# Altium PCB PCB_Kasli.PCBDOC (part 10 of 16)
Units mm, origin at the board's own origin, x right, y up, seen from the top; angles counter-clockwise.
Board outline 200.3 x 100 mm, 6 copper layers (TopLayer, MidLayer1, MidLayer2, SignalLayer1, Internal Plane 1, BottomLayer), stack 1.528 mm thick; 775 components, 636 nets, 3136 pads, 1724 vias.
Unrouted connection lines stored in the file: 7.
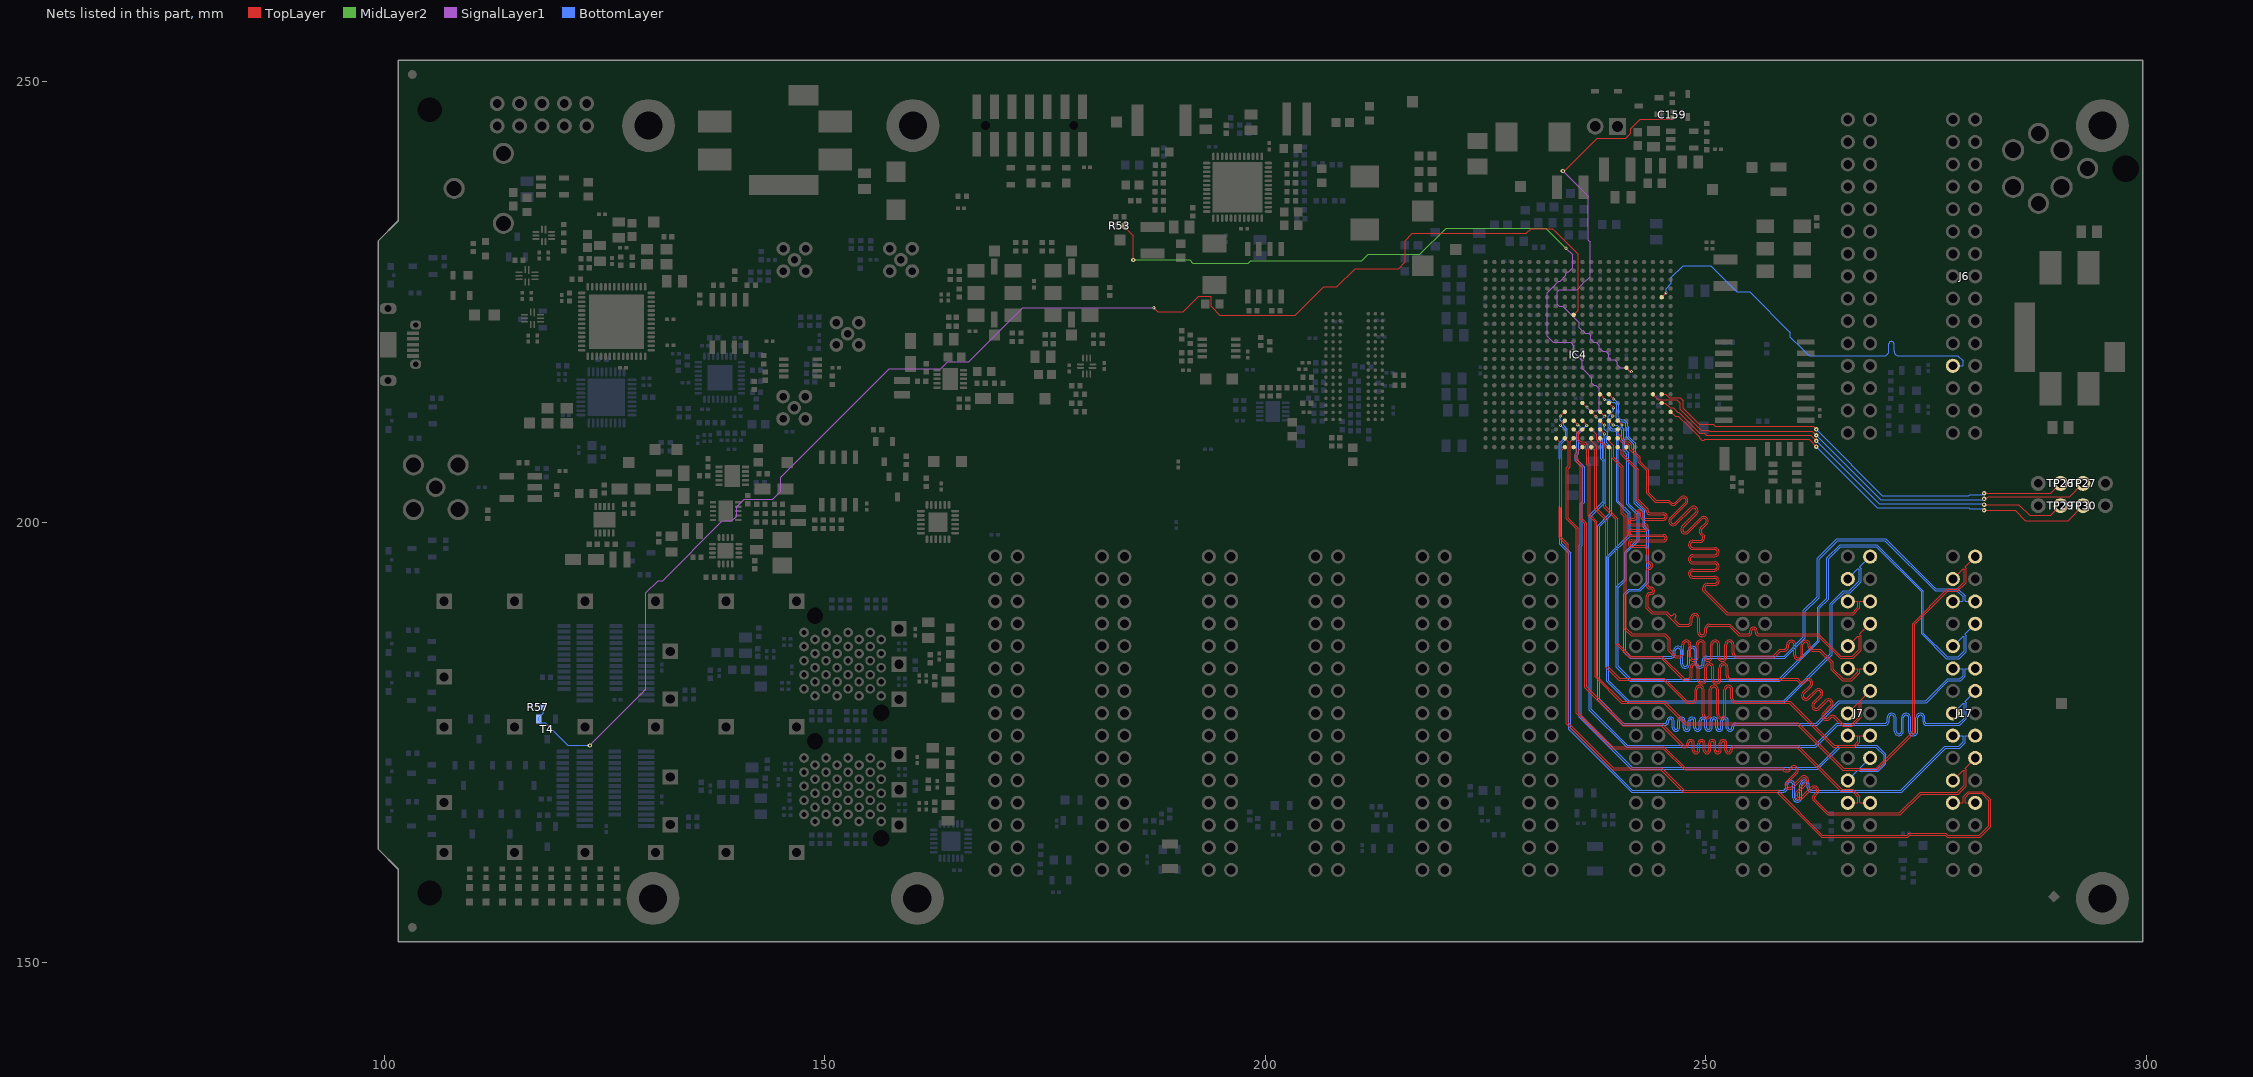
[diagram p14: the nets of this part, all layers, seen from the top]

## Via types
v1: diameter 0.5, hole 0.2, TopLayer to BottomLayer, tented both sides, 845 vias
v2: diameter 0.35, hole 0.15, TopLayer to BottomLayer, tented both sides, 612 vias
v3: diameter 0.8, hole 0.5, TopLayer to BottomLayer, tented both sides, 144 vias
v4: diameter 0.8, hole 0.5, TopLayer to BottomLayer, 66 vias
v5: diameter 0.5, hole 0.2, TopLayer to BottomLayer, 57 vias

## Nets (pads, with @x,y where several pads share a name; then routed paths per layer and width w, separated by ;. In a path a pad name is that pad's centre, name@x,y a point inside that pad or via, vN(x,y) a via of type N, cw(c..) or ccw(c..) an arc to the next point about the centre after c; other vN are vias at no path point) (continued)
EXT9.LVDS_P7: IC4.E21 J6.23 | length 45.4
  TopLayer w0.095: IC4.E21@244.991,225.515 v2(245.491,226.015)
  BottomLayer w0.095: v2(245.491,226.015) 245.491,226.488 246.084,227.081 246.084,227.77 247.414,229.1 250.544,229.1 253.516,226.129 254.954,226.129 259.604,221.478 259.604,220.984 260.882,219.707 261.708,218.88 270.25,218.88 ccw(c270.25,219.398) 270.767,219.398 270.767,220.216 cw(c271.065,220.216) 271.065,220.513 cw(c271.065,220.216) 271.362,220.216 271.362,219.398 ccw(c271.88,219.398) 271.88,218.88 278.609,218.88 279.19,218.299 279.19,217.796 279.134,217.74 J6.23@278.03,217.74
EXT10.LVDS_N0: IC4.V15 J7.3 | length 74.4
  TopLayer w0.095: IC4.V15@238.991,212.515 239.43,212.076 v2(239.43,212.035)
  BottomLayer w0.095: v2(239.43,212.035) 239.43,211.954 239.119,211.642 239.119,210.861 239.372,210.607 239.737,210.607 240.084,210.26 240.084,202.385 241.405,201.064 241.405,198.409 238.989,195.994 238.989,182.005 241.259,179.736 245.85,179.736 251.2,179.736 258.825,179.736 264.125,185.036 264.125,190.742 265.601,192.218 266.281,192.218 267.392,193.328 267.392,194.637 267.337,194.693 267.258,194.693 J7.3@266.105,193.54
EXT10.LVDS_N1: IC4.AA16 J7.6 | length 74.4
  TopLayer w0.095: IC4.AA16@239.991,209.515 240.598,208.909 240.831,208.909 241.144,208.909 241.378,208.675 241.378,208.225 242.313,207.29 242.313,206.768 243.275,205.805 243.275,203.264 244.259,202.28 245.709,202.28 245.932,202.057 ccw(c246.298,202.423) 246.664,202.057 247.242,202.636 cw(c247.453,202.425) 247.663,202.636 cw(c247.453,202.425) 247.75,202.425 cw(c247.453,202.425) 247.663,202.215 245.93,200.481 ccw(c246.295,200.115) 245.93,199.749 ccw(c246.295,200.115) 246.661,199.749 248.395,201.483 cw(c248.605,201.273) 248.816,201.483 cw(c248.605,201.273) 248.903,201.273 cw(c248.605,201.273) 248.816,201.062 247.288,199.535 ccw(c247.654,199.169) 247.288,198.803 ccw(c247.654,199.169) 248.02,198.803 249.548,200.33 cw(c249.758,200.12) 249.968,200.33 cw(c249.758,200.12) 250.056,200.12 cw(c249.758,200.12) 249.968,199.91 249.39,199.331 ccw(c249.756,198.965) 249.39,198.599 249.65,198.339 249.65,198.227 cw(c249.353,198.227) 249.353,197.929 248.534,197.929 ccw(c248.534,197.412) 248.017,197.412 ccw(c248.534,197.412) 248.534,196.894 250.986,196.894 cw(c250.986,196.597) 251.283,196.597 cw(c250.986,196.597) 250.986,196.299 248.534,196.299 ccw(c248.534,195.782) 248.017,195.782 ccw(c248.534,195.782) 248.534,195.264 250.986,195.264 cw(c250.986,194.967) 251.283,194.967 cw(c250.986,194.967) 250.986,194.669 248.534,194.669 ccw(c248.534,194.152) 248.017,194.152 ccw(c248.534,194.152) 248.534,193.634 250.986,193.634 cw(c250.986,193.337) 251.283,193.337 cw(c250.986,193.337) 250.986,193.039 250.168,193.039 ccw(c250.168,192.522) 249.65,192.522 249.65,192.225 252.364,189.511 266.736,189.511 267.485,190.26 267.485,190.944 267.541,191 J7.6@268.645,191
EXT10.LVDS_N2: IC4.AB17 J7.9 | length 78.3
  TopLayer w0.095: IC4.AB17@240.991,208.515 240.601,208.125 240.601,207.725 242.306,206.02 ; 241.244,207.082 242.306,206.02 ; J7.9@266.105,185.92 267.258,187.073 267.337,187.073 267.428,186.982 267.428,185.553 266.625,184.75 265.336,184.75 262.761,187.325 256.019,187.325 cw(c256.019,187.517) 255.827,187.517 255.827,187.669 ccw(c255.409,187.669) 255.409,188.087 ccw(c255.409,187.669) 254.992,187.669 254.992,187.522 cw(c254.794,187.522) 254.794,187.325 253.819,187.325 252.724,188.42 252.655,188.42 251.144,188.42 250.395,188.42 ccw(c250.395,187.902) 249.878,187.902 249.878,187.518 cw(c249.58,187.518) 249.58,187.22 cw(c249.58,187.518) 249.283,187.518 249.283,189.102 ccw(c248.765,189.102) 248.765,189.62 ccw(c248.765,189.102) 248.247,189.102 248.247,188.717 cw(c247.95,188.717) 247.95,188.42 247.166,188.42 246.961,188.42 246.781,188.6 246.641,188.74 246.501,188.879 cw(c246.641,189.019) 246.501,189.159 246.558,189.215 ccw(c246.418,189.355) 246.558,189.495 ccw(c246.418,189.355) 246.279,189.495 246.222,189.438 cw(c246.082,189.578) 245.943,189.438 245.819,189.561 245.556,189.825 243.969,189.825 243.469,190.325 243.469,191.595 cw(c243.667,191.595) 243.667,191.792 243.765,191.792 ccw(c243.765,192.21) 244.182,192.21 ccw(c243.765,192.21) 243.765,192.627 243.667,192.627 cw(c243.667,192.825) 243.469,192.825 243.469,194.554 cw(c243.558,194.554) 243.558,194.642 ccw(c243.558,195.06) 243.976,195.06 ccw(c243.558,195.06) 243.558,195.478 cw(c243.558,195.566) 243.469,195.566 243.469,196.3 243.469,196.942 ccw(c243.052,196.942) 243.052,197.359 241.582,197.359 cw(c241.582,197.557) 241.582,197.754 245.182,197.754 ccw(c245.182,198.172) 245.599,198.172 ccw(c245.182,198.172) 245.182,198.589 241.582,198.589 cw(c241.582,198.787) 241.582,198.984 243.052,198.984 ccw(c243.052,199.402) 243.469,199.402 ccw(c243.052,199.402) 243.052,199.819 241.582,199.819 cw(c241.582,200.017) 241.582,200.214 241.794,200.214 ccw(c241.794,200.632) 242.212,200.632 242.212,200.963 cw(c242.409,200.963) 242.607,200.963 242.607,200.632 ccw(c243.024,200.632) 243.024,200.214 245.182,200.214 ccw(c245.182,200.632) 245.599,200.632 ccw(c245.182,200.632) 245.182,201.049 243.667,201.049 cw(c243.667,201.247) 243.469,201.247 243.469,201.45 242.306,202.613 242.306,206.02
EXT10.LVDS_N3: IC4.AB15 J7.12 | length 73.1
  TopLayer w0.095: IC4.AB15@238.991,208.515 239.319,208.187 239.319,207.284 240.424,206.179 240.424,200.959 240.749,200.634 240.749,187.859 241.528,187.08 245.303,187.08 245.726,186.657 245.726,185.393 246.514,184.605 246.606,184.605 246.817,184.605 246.975,184.605 ccw(c246.975,185.122) 247.492,185.122 247.492,186.107 cw(c247.79,186.107) 247.79,186.405 cw(c247.79,186.107) 248.087,186.107 248.087,184.706 ccw(c248.605,184.706) 248.605,184.188 ccw(c248.605,184.706) 249.122,184.706 249.122,186.107 cw(c249.42,186.107) 249.42,186.405 cw(c249.42,186.107) 249.717,186.107 249.717,184.706 ccw(c250.235,184.706) 250.235,184.188 ccw(c250.235,184.706) 250.752,184.706 250.752,186.107 cw(c251.05,186.107) 251.05,186.405 cw(c251.05,186.107) 251.347,186.107 251.347,184.706 ccw(c251.865,184.706) 251.865,184.188 ccw(c251.865,184.706) 252.382,184.706 252.382,186.107 cw(c252.68,186.107) 252.68,186.405 cw(c252.68,186.107) 252.977,186.107 252.977,185.122 ccw(c253.495,185.122) 253.495,184.605 254.661,184.605 257.741,184.605 258.494,185.359 258.875,185.359 ccw(c258.875,185.876) 259.392,185.876 259.392,186.061 cw(c259.69,186.061) 259.69,186.359 cw(c259.69,186.061) 259.988,186.061 259.988,184.876 ccw(c260.505,184.876) 260.505,184.359 ccw(c260.505,184.876) 261.023,184.876 261.023,186.061 cw(c261.32,186.061) 261.32,186.359 cw(c261.32,186.061) 261.618,186.061 261.618,185.876 ccw(c262.135,185.876) 262.135,185.359 262.866,185.359 264.225,184 264.225,183.234 265.479,181.98 266.551,181.98 267.485,182.914 267.485,183.324 267.541,183.38 J7.12@268.645,183.38
EXT10.LVDS_N4: IC4.AA14 J7.15 | length 78.6
  TopLayer w0.095: IC4.AA14@237.991,209.515 238.039,209.468 238.039,209.355 238.605,208.789 238.605,208.355 238.619,208.341 238.619,201.775 239.994,200.4 239.994,186.275 241.469,184.8 244.994,184.8 247.544,182.25 247.925,182.25 ccw(c247.925,182.548) 248.223,182.548 248.223,183.494 cw(c248.74,183.494) 248.74,184.012 cw(c248.74,183.494) 249.258,183.494 249.258,182.14 ccw(c249.546,182.14) 249.546,181.851 ; 249.564,181.851 ccw(c249.564,182.14) 249.853,182.14 249.853,183.494 cw(c250.37,183.494) 250.37,184.012 cw(c250.37,183.494) 250.888,183.494 250.888,182.14 ccw(c251.176,182.14) 251.176,181.851 ; 251.194,181.851 ccw(c251.194,182.14) 251.483,182.14 251.483,183.494 cw(c252,183.494) 252,184.012 cw(c252,183.494) 252.518,183.494 252.518,182.548 ccw(c252.815,182.548) 252.815,182.25 260.411,182.25 260.706,181.956 ccw(c260.916,182.166) 261.126,181.956 261.257,182.086 cw(c261.623,181.72) 261.989,182.086 cw(c261.623,181.72) 262.141,181.72 cw(c261.623,181.72) 261.989,181.355 261.151,180.517 ccw(c261.361,180.306) 261.151,180.096 ; 261.151,180.095 ccw(c261.361,180.306) 261.572,180.096 262.41,180.934 cw(c262.776,180.568) 263.142,180.934 cw(c262.776,180.568) 263.293,180.568 cw(c262.776,180.568) 263.142,180.202 262.304,179.364 ccw(c262.514,179.154) 262.304,178.943 ccw(c262.514,179.154) 262.724,178.943 263.562,179.781 cw(c263.928,179.415) 264.294,179.781 cw(c263.928,179.415) 264.446,179.415 cw(c263.928,179.415) 264.294,179.049 263.456,178.211 ccw(c263.667,178.001) 263.877,177.791 264.008,177.922 cw(c264.374,177.556) 264.74,177.922 265.611,177.05 266.55,177.05 267.428,177.928 267.428,179.362 267.337,179.453 267.258,179.453 J7.15@266.105,178.3
EXT10.LVDS_N5: IC4.AB13 J7.18 | length 76.3
  TopLayer w0.095: IC4.AB13@236.991,208.515 237.374,208.132 237.374,206.416 237.374,201.484 238.645,200.213 238.645,183.533 240.123,182.055 245.203,182.055 247.803,179.455 248.475,179.455 ccw(c248.475,179.973) 248.992,179.973 248.992,180.957 cw(c249.29,180.957) 249.29,181.255 cw(c249.29,180.957) 249.588,180.957 249.588,178.173 ccw(c250.105,178.173) 250.105,177.655 ccw(c250.105,178.173) 250.623,178.173 250.623,180.957 cw(c250.92,180.957) 250.92,181.255 cw(c250.92,180.957) 251.218,180.957 251.218,178.173 ccw(c251.735,178.173) 251.735,177.655 ccw(c251.735,178.173) 252.253,178.173 252.253,180.957 cw(c252.55,180.957) 252.55,181.255 cw(c252.55,180.957) 252.848,180.957 252.848,179.973 ccw(c253.365,179.973) 253.365,179.455 259.47,179.455 264.481,174.444 266.919,174.444 267.485,175.01 267.485,175.704 267.541,175.76 J7.18@268.645,175.76
EXT10.LVDS_N6: IC4.W12 J7.21 | length 79.4
  TopLayer w0.095: IC4.W12@235.991,211.515 236.48,211.026 v2(236.48,210.985)
  BottomLayer w0.095: v2(236.48,210.985) 235.986,210.491 235.986,210.4 235.594,210.008 235.594,207.808 235.422,207.635 235.422,207.064 236.239,206.247 236.239,202.264 235.986,202.011 235.986,197.372 235.869,197.255 235.869,177.925 241.619,172.175 262.625,172.175 265.145,174.695 269.391,174.695 270.438,173.648 270.438,172.602 269.549,171.713 267.457,171.713 267.337,171.833 267.258,171.833 J7.21@266.105,170.68
EXT10.LVDS_N7: IC4.AB12 J7.24 | length 74.8
  TopLayer w0.095: IC4.AB12@235.991,208.515 235.944,208.468 235.886,208.468 235.494,208.076 235.494,207.708 235.422,207.635 235.422,207.265 235.494,207.192 235.494,206.931 235.98,206.445 235.98,200.395 236.494,199.881 236.494,181.3 240.669,177.125 245.044,177.125 247.544,174.625 247.656,174.625 ccw(c247.656,174.822) 247.854,174.822 247.854,174.907 cw(c248.271,174.907) 248.271,175.325 cw(c248.271,174.907) 248.689,174.907 248.689,174.122 ccw(c248.886,174.122) 248.886,173.925 ccw(c248.886,174.122) 249.084,174.122 249.084,174.907 cw(c249.501,174.907) 249.501,175.325 cw(c249.501,174.907) 249.919,174.907 249.919,174.122 ccw(c250.116,174.122) 250.116,173.925 ccw(c250.116,174.122) 250.314,174.122 250.314,174.907 cw(c250.731,174.907) 250.731,175.325 cw(c250.731,174.907) 251.149,174.907 251.149,174.122 ccw(c251.346,174.122) 251.346,173.925 ccw(c251.346,174.122) 251.544,174.122 251.544,174.907 cw(c251.961,174.907) 251.961,175.325 cw(c251.961,174.907) 252.379,174.907 252.379,174.122 ccw(c252.576,174.122) 252.576,173.925 ccw(c252.576,174.122) 252.774,174.122 252.774,174.207 cw(c253.191,174.207) 253.191,174.625 260.219,174.625 260.466,174.625 265.409,169.683 266.692,169.683 267.485,168.89 267.485,168.196 267.541,168.14 J7.24@268.645,168.14
EXT10.LVDS_P0: IC4.U15 J7.2 | length 76.5
  TopLayer w0.095: IC4.U15@238.991,213.515 239.5,213.006 v2(239.5,212.963)
  BottomLayer w0.095: v2(239.5,212.963) 239.5,212.632 238.908,212.039 238.908,211.784 238.899,211.775 238.899,210.77 239.281,210.387 239.646,210.387 239.864,210.169 239.864,202.294 241.185,200.973 241.185,198.501 238.769,196.085 238.769,181.914 241.168,179.516 245.85,179.516 251.291,179.516 258.916,179.516 264.345,184.944 264.345,190.651 265.692,191.998 266.373,191.998 267.612,193.237 267.612,194.728 267.492,194.848 267.492,194.927 J7.2@268.645,196.08
EXT10.LVDS_P1: IC4.Y16 J7.5 | length 74.7
  TopLayer w0.095: IC4.Y16@239.991,210.515 239.991,210.061 240.378,209.675 240.378,209.582 240.831,209.129 241.235,209.129 241.598,208.766 241.598,208.316 242.533,207.381 242.533,206.859 243.495,205.897 243.495,203.355 244.35,202.5 245.8,202.5 246.087,202.213 ccw(c246.298,202.423) 246.508,202.212 247.087,202.791 cw(c247.453,202.425) 247.819,202.791 cw(c247.453,202.425) 247.97,202.425 cw(c247.453,202.425) 247.819,202.059 246.085,200.326 ccw(c246.295,200.115) 246.085,199.905 ccw(c246.295,200.115) 246.506,199.905 248.24,201.639 cw(c248.605,201.273) 248.971,201.639 cw(c248.605,201.273) 249.123,201.273 cw(c248.605,201.273) 248.971,200.907 247.444,199.379 ccw(c247.654,199.169) 247.444,198.958 ; 247.444,198.958 ccw(c247.654,199.169) 247.864,198.958 249.392,200.486 cw(c249.758,200.12) 250.124,200.486 cw(c249.758,200.12) 250.276,200.12 cw(c249.758,200.12) 250.124,199.754 249.545,199.175 ccw(c249.756,198.965) 249.545,198.755 249.87,198.43 249.87,198.227 cw(c249.353,198.227) 249.353,197.709 248.534,197.709 ccw(c248.534,197.412) 248.237,197.412 ccw(c248.534,197.412) 248.534,197.114 250.986,197.114 cw(c250.986,196.597) 251.503,196.597 cw(c250.986,196.597) 250.986,196.079 248.534,196.079 ccw(c248.534,195.782) 248.237,195.782 ccw(c248.534,195.782) 248.534,195.484 250.986,195.484 cw(c250.986,194.967) 251.503,194.967 cw(c250.986,194.967) 250.986,194.449 248.534,194.449 ccw(c248.534,194.152) 248.237,194.152 ccw(c248.534,194.152) 248.534,193.854 250.986,193.854 cw(c250.986,193.337) 251.503,193.337 cw(c250.986,193.337) 250.986,192.819 250.168,192.819 ccw(c250.168,192.522) 249.87,192.522 249.87,192.316 252.456,189.731 266.644,189.731 267.125,190.211 267.265,190.351 267.265,190.944 267.209,191 J7.5@266.105,191
EXT10.LVDS_P2: IC4.AB16 J7.8 | length 77.1
  TopLayer w0.095: IC4.AB16@239.991,208.515 240.381,208.125 240.381,207.634 242.086,205.929 242.086,202.522 243.249,201.359 243.249,201.247 ccw(c243.667,201.247) 243.667,200.829 245.182,200.829 cw(c245.182,200.632) 245.379,200.632 cw(c245.182,200.632) 245.182,200.434 243.024,200.434 cw(c243.024,200.632) 242.827,200.632 242.827,200.963 ccw(c242.409,200.963) 241.992,200.963 241.992,200.632 cw(c241.794,200.632) 241.794,200.434 241.582,200.434 ccw(c241.582,200.017) 241.582,199.599 243.052,199.599 cw(c243.052,199.402) 243.249,199.402 cw(c243.052,199.402) 243.052,199.204 241.582,199.204 ccw(c241.582,198.787) 241.582,198.369 245.182,198.369 cw(c245.182,198.172) 245.379,198.172 cw(c245.182,198.172) 245.182,197.974 241.582,197.974 ccw(c241.582,197.557) 241.582,197.139 243.052,197.139 cw(c243.052,196.942) 243.249,196.942 243.249,196.3 243.249,195.566 ccw(c243.558,195.566) 243.558,195.258 cw(c243.558,195.06) 243.756,195.06 cw(c243.558,195.06) 243.558,194.862 ccw(c243.558,194.554) 243.249,194.554 243.249,192.825 ccw(c243.667,192.825) 243.667,192.407 243.765,192.407 cw(c243.765,192.21) 243.962,192.21 cw(c243.765,192.21) 243.765,192.012 243.667,192.012 ccw(c243.667,191.595) 243.249,191.595 243.249,190.234 243.878,189.605 245.464,189.605 246.869,188.2 247.166,188.2 247.95,188.2 ccw(c247.95,188.717) 248.467,188.717 248.467,189.102 cw(c248.765,189.102) 248.765,189.4 cw(c248.765,189.102) 249.063,189.102 249.063,187.518 ccw(c249.58,187.518) 249.58,187 ccw(c249.58,187.518) 250.098,187.518 250.098,187.902 cw(c250.395,187.902) 250.395,188.2 251.144,188.2 252.564,188.2 252.633,188.2 253.728,187.105 254.794,187.105 ccw(c254.794,187.522) 255.212,187.522 255.212,187.669 cw(c255.409,187.669) 255.409,187.867 cw(c255.409,187.669) 255.607,187.669 255.607,187.517 ccw(c256.019,187.517) 256.019,187.105 262.67,187.105 265.245,184.53 266.716,184.53 267.648,185.461 267.648,187.073 267.492,187.228 267.492,187.307 J7.8@268.645,188.46
EXT10.LVDS_P3: IC4.AA15 J7.11 | length 73.4
  TopLayer w0.095: IC4.AA15@238.991,209.515 238.991,209.218 239.539,208.67 239.539,207.375 240.644,206.27 240.644,201.05 240.969,200.725 240.969,187.95 241.619,187.3 245.394,187.3 245.946,186.748 245.946,185.484 246.606,184.825 246.817,184.825 246.975,184.825 ccw(c246.975,185.122) 247.272,185.122 247.272,186.107 cw(c247.79,186.107) 247.79,186.625 cw(c247.79,186.107) 248.307,186.107 248.307,184.706 ccw(c248.605,184.706) 248.605,184.408 ccw(c248.605,184.706) 248.902,184.706 248.902,186.107 cw(c249.42,186.107) 249.42,186.625 cw(c249.42,186.107) 249.937,186.107 249.937,184.706 ccw(c250.235,184.706) 250.235,184.408 ccw(c250.235,184.706) 250.532,184.706 250.532,186.107 cw(c251.05,186.107) 251.05,186.625 cw(c251.05,186.107) 251.567,186.107 251.567,184.706 ccw(c251.865,184.706) 251.865,184.408 ccw(c251.865,184.706) 252.162,184.706 252.162,186.107 cw(c252.68,186.107) 252.68,186.625 cw(c252.68,186.107) 253.197,186.107 253.197,185.122 ccw(c253.495,185.122) 253.495,184.825 254.569,184.825 257.649,184.825 258.403,185.579 258.875,185.579 ccw(c258.875,185.876) 259.172,185.876 259.172,186.061 cw(c259.69,186.061) 259.69,186.579 cw(c259.69,186.061) 260.208,186.061 260.208,184.876 ccw(c260.505,184.876) 260.505,184.579 ccw(c260.505,184.876) 260.803,184.876 260.803,186.061 cw(c261.32,186.061) 261.32,186.579 cw(c261.32,186.061) 261.838,186.061 261.838,185.876 ccw(c262.135,185.876) 262.135,185.579 262.957,185.579 264.445,184.091 264.445,183.325 265.57,182.2 266.46,182.2 267.265,183.005 267.265,183.324 267.209,183.38 J7.11@266.105,183.38
EXT10.LVDS_P4: IC4.Y13 J7.14 | length 80.9
  TopLayer w0.095: IC4.Y13@236.991,210.515 237.605,209.901 237.605,209.355 237.831,209.129 237.955,209.129 238.385,208.698 238.385,208.264 238.399,208.25 238.399,201.684 239.774,200.309 239.774,186.184 241.378,184.58 244.903,184.58 247.453,182.03 247.925,182.03 ccw(c247.925,182.548) 248.443,182.548 248.443,183.494 cw(c248.74,183.494) 248.74,183.792 cw(c248.74,183.494) 249.038,183.494 249.038,182.14 ccw(c249.546,182.14) 249.546,181.631 ; 249.564,181.631 ccw(c249.564,182.14) 250.073,182.14 250.073,183.494 cw(c250.37,183.494) 250.37,183.792 cw(c250.37,183.494) 250.668,183.494 250.668,182.14 ccw(c251.176,182.14) 251.176,181.631 ; 251.194,181.631 ccw(c251.194,182.14) 251.703,182.14 251.703,183.494 cw(c252,183.494) 252,183.792 cw(c252,183.494) 252.298,183.494 252.298,182.548 ccw(c252.815,182.548) 252.815,182.03 260.32,182.03 260.55,181.8 ccw(c260.916,182.166) 261.282,181.8 261.413,181.931 cw(c261.623,181.72) 261.833,181.931 cw(c261.623,181.72) 261.921,181.72 cw(c261.623,181.72) 261.833,181.51 260.995,180.672 ccw(c261.361,180.306) 261.727,179.94 262.565,180.778 cw(c262.776,180.568) 262.986,180.778 cw(c262.776,180.568) 263.073,180.568 cw(c262.776,180.568) 262.986,180.357 262.148,179.52 ccw(c262.514,179.154) 262.148,178.788 ccw(c262.514,179.154) 262.88,178.788 263.718,179.626 cw(c263.928,179.415) 264.139,179.626 ; 264.139,179.625 cw(c263.928,179.415) 264.226,179.415 cw(c263.928,179.415) 264.139,179.205 263.301,178.367 ccw(c263.667,178.001) 264.033,177.635 264.163,177.766 cw(c264.374,177.556) 264.584,177.766 265.52,176.83 266.641,176.83 267.648,177.836 267.648,179.453 267.492,179.608 267.492,179.687 J7.14@268.645,180.84
EXT10.LVDS_P5: IC4.AA13 J7.17 | length 76.6
  TopLayer w0.095: IC4.AA13@236.991,209.515 236.991,209.218 237.594,208.615 237.594,206.416 237.594,201.575 238.865,200.304 238.865,183.624 240.214,182.275 245.294,182.275 247.894,179.675 248.475,179.675 ccw(c248.475,179.973) 248.772,179.973 248.772,180.957 cw(c249.29,180.957) 249.29,181.475 cw(c249.29,180.957) 249.808,180.957 249.808,178.173 ccw(c250.105,178.173) 250.105,177.875 ccw(c250.105,178.173) 250.403,178.173 250.403,180.957 cw(c250.92,180.957) 250.92,181.475 cw(c250.92,180.957) 251.438,180.957 251.438,178.173 ccw(c251.735,178.173) 251.735,177.875 ccw(c251.735,178.173) 252.033,178.173 252.033,180.957 cw(c252.55,180.957) 252.55,181.475 cw(c252.55,180.957) 253.068,180.957 253.068,179.973 ccw(c253.365,179.973) 253.365,179.675 259.561,179.675 264.572,174.664 266.828,174.664 267.265,175.101 267.265,175.704 267.209,175.76 J7.17@266.105,175.76
EXT10.LVDS_P6: IC4.W11 J7.20 | length 78.9
  TopLayer w0.095: IC4.W11@234.991,211.515 235.474,211.032 v2(235.462,211.032)
  BottomLayer w0.095: v2(235.462,211.032) 235.553,211.032 235.766,210.819 235.766,210.491 235.374,210.099 235.374,207.899 235.202,207.726 235.202,206.973 236.019,206.156 236.019,202.356 235.766,202.102 235.766,197.463 235.649,197.346 235.649,177.834 241.528,171.955 262.716,171.955 265.236,174.475 269.3,174.475 270.218,173.557 270.218,172.693 269.458,171.933 267.548,171.933 267.492,171.988 267.492,172.067 J7.20@268.645,173.22
EXT10.LVDS_P7: IC4.AB11 J7.23 | length 74.7
  TopLayer w0.095: IC4.AB11@234.991,208.515 235.039,208.468 235.171,208.468 235.274,208.364 235.274,207.799 235.202,207.726 235.202,207.174 235.274,207.101 235.274,206.839 235.76,206.354 235.76,200.304 236.274,199.79 236.274,181.209 240.578,176.905 244.953,176.905 247.453,174.405 247.656,174.405 ccw(c247.656,174.822) 248.074,174.822 248.074,174.907 cw(c248.271,174.907) 248.271,175.105 cw(c248.271,174.907) 248.469,174.907 248.469,174.122 ccw(c248.886,174.122) 248.886,173.705 ; 248.886,173.705 ccw(c248.886,174.122) 249.304,174.122 249.304,174.907 cw(c249.501,174.907) 249.501,175.105 cw(c249.501,174.907) 249.699,174.907 249.699,174.122 ccw(c250.116,174.122) 250.116,173.705 ccw(c250.116,174.122) 250.534,174.122 250.534,174.907 cw(c250.731,174.907) 250.731,175.105 cw(c250.731,174.907) 250.929,174.907 250.929,174.122 ccw(c251.346,174.122) 251.346,173.705 ccw(c251.346,174.122) 251.764,174.122 251.764,174.907 cw(c251.961,174.907) 251.961,175.105 cw(c251.961,174.907) 252.159,174.907 252.159,174.122 ccw(c252.576,174.122) 252.576,173.705 ccw(c252.576,174.122) 252.994,174.122 252.994,174.207 cw(c253.191,174.207) 253.191,174.405 260.375,174.405 265.317,169.463 266.601,169.463 267.265,168.799 267.265,168.196 267.209,168.14 J7.23@266.105,168.14
EXT11.LVDS_N0: IC4.Y12 J17.3 | length 94.4
  TopLayer w0.095: IC4.Y12@235.991,210.515 235.601,210.125 235.601,209.359 235.839,209.121 236.243,209.121 236.605,208.759 236.605,208.355 236.712,208.248 236.712,206.663 236.859,206.516 236.859,200.838 237.644,200.052 237.644,182.52 240.489,179.675 245.319,179.675 247.769,177.225 260.458,177.225 265.638,172.045 269.334,172.045 273.475,176.186 273.475,188.486 277.359,192.37 278.459,192.37 279.317,193.228 279.317,194.637 279.262,194.693 279.183,194.693 J17.3@278.03,193.54
EXT11.LVDS_N1: IC4.T15 J17.6 | length 93.4
  TopLayer w0.095: IC4.T15@238.991,214.515 239.5,214.006 v2(239.5,213.979)
  BottomLayer w0.095: v2(239.5,213.979) 239.528,213.979 240.119,213.387 240.119,213.118 240.118,212.808 ; 240.119,212.808 240.119,212.35 240.033,212.264 240.033,211.956 240.119,211.87 240.119,211.861 240.372,211.607 240.737,211.607 241.119,211.225 241.119,210.861 241.233,210.747 241.233,209.712 241.646,209.299 ; 241.651,209.303 242.033,208.921 242.033,207.881 242.116,207.797 242.116,202.253 243.089,201.28 243.089,199.516 243.514,199.091 243.514,193.162 242.538,192.185 241.365,192.185 240.925,191.745 240.925,185.344 241.494,184.775 245.5,184.775 246.025,184.775 ccw(c246.025,185.072) 246.322,185.072 246.322,185.391 cw(c246.84,185.391) 246.84,185.908 cw(c246.84,185.391) 247.358,185.391 247.358,183.939 ccw(c247.655,183.939) 247.655,183.642 ccw(c247.655,183.939) 247.953,183.939 247.953,185.391 cw(c248.47,185.391) 248.47,185.908 cw(c248.47,185.391) 248.988,185.391 248.988,183.939 ccw(c249.285,183.939) 249.285,183.642 ccw(c249.285,183.939) 249.583,183.939 249.583,184.257 cw(c250.1,184.257) 250.1,184.775 253.825,184.775 253.916,184.775 258.87,184.775 261.068,186.973 261.068,189.968 262.63,191.53 262.63,195.896 264.854,198.12 270.419,198.12 276.098,192.441 278.584,192.441 279.41,191.615 279.41,191.056 279.466,191 J17.6@280.57,191
EXT11.LVDS_N2: IC4.W16 J17.9 | length 92.7
  TopLayer w0.095: IC4.W16@239.991,211.515 v2(240.491,211.015)
  BottomLayer w0.095: v2(240.491,211.015) 240.491,210.693 240.669,210.516 240.669,209.433 240.819,209.282 240.819,208.299 241.261,207.857 241.261,202.108 242.417,200.953 242.417,197.924 240.99,196.498 240.99,193.463 240.07,192.543 240.07,183.624 241.534,182.161 245.15,182.161 253.691,182.161 256.225,182.161 258.286,182.161 262.675,186.55 262.675,190.311 263.725,191.361 263.725,195.947 265.223,197.445 269.416,197.445 274.695,192.166 274.695,187.405 277.375,184.725 278.65,184.725 279.317,185.392 279.317,187.017 279.262,187.073 279.183,187.073 J17.9@278.03,185.92
EXT11.LVDS_N3: IC4.Y14 J17.12 | length 92.3
  TopLayer w0.095: IC4.Y14@237.991,210.515 v2(238.491,210.015)
  BottomLayer w0.095: v2(238.491,210.015) 238.491,209.443 238.547,209.388 238.547,208.898 239.094,208.351 239.094,200.985 237.719,199.61 237.719,179.784 240.548,176.955 245.369,176.955 ccw(c245.369,177.373) 245.787,177.373 245.787,177.457 cw(c245.984,177.457) 245.984,177.655 cw(c245.984,177.457) 246.182,177.457 246.182,176.673 ccw(c246.599,176.673) 246.599,176.255 ccw(c246.599,176.673) 247.017,176.673 247.017,177.457 cw(c247.214,177.457) 247.214,177.655 cw(c247.214,177.457) 247.412,177.457 247.412,176.673 ccw(c247.829,176.673) 247.829,176.255 ccw(c247.829,176.673) 248.247,176.673 248.247,177.457 cw(c248.444,177.457) 248.444,177.655 cw(c248.444,177.457) 248.642,177.457 248.642,176.673 ccw(c249.059,176.673) 249.059,176.255 ccw(c249.059,176.673) 249.477,176.673 249.477,177.457 cw(c249.674,177.457) 249.674,177.655 cw(c249.674,177.457) 249.872,177.457 249.872,176.673 ccw(c250.289,176.673) 250.289,176.255 ccw(c250.289,176.673) 250.707,176.673 250.707,177.457 cw(c250.904,177.457) 250.904,177.655 cw(c250.904,177.457) 251.102,177.457 251.102,176.673 ccw(c251.519,176.673) 251.519,176.255 ccw(c251.519,176.673) 251.937,176.673 251.937,177.457 cw(c252.134,177.457) 252.134,177.655 cw(c252.134,177.457) 252.332,177.457 252.332,176.673 ccw(c252.749,176.673) 252.749,176.255 ccw(c252.749,176.673) 253.167,176.673 253.167,176.757 cw(c253.364,176.757) 253.364,176.955 262.625,176.955 265.175,179.505 275.055,179.505 277.525,181.975 278.9,181.975 279.41,182.485 279.41,183.324 279.466,183.38 J17.12@280.57,183.38
EXT11.LVDS_N4: IC4.V14 J17.15 | length 93.4
  TopLayer w0.095: IC4.V14@237.991,212.515 238.484,212.023 v2(238.535,212.023)
  BottomLayer w0.095: v2(238.535,212.023) 238.499,212.023 238.121,211.644 238.121,211.171 238.119,211.169 238.119,210.861 238.121,210.859 238.121,210.171 238.119,210.169 238.119,209.575 238.294,209.4 238.294,207.259 238.594,206.96 238.594,202.269 236.994,200.669 236.994,178.75 241.094,174.65 262.375,174.65 264.87,177.145 270.275,177.145 ccw(c270.275,177.443) 270.572,177.443 270.572,177.786 cw(c271.09,177.786) 271.09,178.303 cw(c271.09,177.786) 271.608,177.786 271.608,176.284 ccw(c271.905,176.284) 271.905,175.987 ccw(c271.905,176.284) 272.203,176.284 272.203,177.786 cw(c272.72,177.786) 272.72,178.303 cw(c272.72,177.786) 273.238,177.786 273.238,176.284 ccw(c273.535,176.284) 273.535,175.987 ccw(c273.535,176.284) 273.833,176.284 273.833,177.786 cw(c274.35,177.786) 274.35,178.303 cw(c274.35,177.786) 274.868,177.786 274.868,177.317 ccw(c275.039,177.317) 275.039,177.145 275.197,177.145 278.709,177.145 279.317,177.753 279.317,179.397 279.262,179.453 279.183,179.453 J17.15@278.03,178.3
EXT11.LVDS_N5: IC4.W10 J17.18 | length 93.8
  TopLayer w0.095: v2(233.505,210.985) 233.505,211.029 IC4.W10@233.991,211.515
  BottomLayer w0.095: v2(233.505,210.985) 233.521,210.985 234.074,210.432 234.074,209.691 233.344,208.961 233.344,207.175 233.409,207.111 233.409,197.461 234.424,196.445 234.424,176.509 241.579,169.355 258.75,169.355 ccw(c258.75,169.872) 259.268,169.872 259.268,170.189 cw(c259.565,170.189) 259.565,170.486 cw(c259.565,170.189) 259.863,170.189 259.863,168.741 ccw(c260.38,168.741) 260.38,168.224 ccw(c260.38,168.741) 260.898,168.741 260.898,170.189 cw(c261.195,170.189) 261.195,170.486 cw(c261.195,170.189) 261.493,170.189 261.493,169.873 ccw(c262.01,169.873) 262.01,169.355 272.217,169.355 277.212,174.35 277.434,174.35 278.8,174.35 279.41,174.96 279.41,175.704 279.466,175.76 J17.18@280.57,175.76
EXT11.LVDS_N6: IC4.AA11 J17.21 | length 94.8
  TopLayer w0.095: IC4.AA11@234.991,209.515 234.601,209.125 234.601,206.281 234.4,206.079 234.4,202.313 234.372,202.285 234.372,200.461 234.741,200.091 235.519,199.313 235.519,178.425 239.419,174.525 245.244,174.525 247.674,172.095 258.808,172.095 258.952,171.951 ccw(c259.162,172.162) 259.372,171.951 259.625,172.204 cw(c259.991,171.838) 260.357,172.204 cw(c259.991,171.838) 260.508,171.838 cw(c259.991,171.838) 260.357,171.472 259.275,170.391 ccw(c259.486,170.18) 259.275,169.97 ccw(c259.486,170.18) 259.696,169.97 260.778,171.051 cw(c261.144,170.685) 261.509,171.051 cw(c261.144,170.685) 261.661,170.685 cw(c261.144,170.685) 261.509,170.32 260.428,169.238 ccw(c260.638,169.028) 260.428,168.817 ccw(c260.638,169.028) 260.849,168.817 261.93,169.899 cw(c262.296,169.533) 262.662,169.899 cw(c262.296,169.533) 262.814,169.533 cw(c262.296,169.533) 262.662,169.167 262.339,168.844 ccw(c262.479,168.704) 262.339,168.564 263.908,166.995 271.966,166.995 274.329,169.358 278.546,169.358 279.317,170.128 279.317,171.777 279.262,171.833 279.183,171.833 J17.21@278.03,170.68
EXT11.LVDS_N7: IC4.AB10 J17.24 | length 93.3
  TopLayer w0.095: IC4.AB10@233.991,208.515 233.644,208.168 233.644,201.738 233.557,201.651 233.557,198.338 234.394,197.5 234.394,177.206 239.475,172.125 244.969,172.125 247.549,169.545 258.161,169.545 263.231,164.475 272.831,164.475 273.024,164.668 277.241,164.668 277.458,164.45 281.05,164.45 282.125,165.525 282.125,168.375 281.3,169.2 279.875,169.2 279.41,168.735 279.41,168.196 279.466,168.14 J17.24@280.57,168.14
EXT11.LVDS_P0: IC4.Y11 J17.2 | length 95.3
  TopLayer w0.095: IC4.Y11@234.991,210.515 235.381,210.125 235.381,209.267 235.747,208.901 236.152,208.901 236.385,208.668 236.385,208.264 236.492,208.157 236.492,206.572 236.639,206.425 236.639,200.747 237.424,199.961 237.424,182.429 240.398,179.455 245.228,179.455 247.678,177.005 260.366,177.005 265.546,171.825 269.425,171.825 273.695,176.095 273.695,188.395 277.45,192.15 278.55,192.15 279.537,193.137 279.537,194.728 279.417,194.848 279.417,194.927 J17.2@280.57,196.08
EXT11.LVDS_P1: IC4.T14 J17.5 | length 94.2
  TopLayer w0.095: IC4.T14@237.991,214.515 238.484,214.022 v2(238.484,213.928)
  BottomLayer w0.095: v2@238.506,213.906 239.046,213.906 239.346,213.606 239.589,213.606 239.898,213.297 239.898,212.717 ; 239.899,212.717 239.899,212.441 239.813,212.356 239.813,211.865 239.899,211.779 239.899,211.77 240.281,211.387 240.646,211.387 240.899,211.134 240.899,210.77 241.013,210.655 241.013,209.621 241.426,209.208 ; 241.431,209.212 241.813,208.829 241.813,207.79 241.896,207.706 241.896,202.162 242.869,201.189 242.869,199.425 243.294,199 243.294,193.253 242.447,192.405 241.274,192.405 240.705,191.836 240.705,185.253 241.403,184.555 245.409,184.555 246.025,184.555 ccw(c246.025,185.072) 246.542,185.072 246.542,185.391 cw(c246.84,185.391) 246.84,185.688 cw(c246.84,185.391) 247.138,185.391 247.138,183.939 ccw(c247.655,183.939) 247.655,183.422 ccw(c247.655,183.939) 248.173,183.939 248.173,185.391 cw(c248.47,185.391) 248.47,185.688 cw(c248.47,185.391) 248.768,185.391 248.768,183.939 ccw(c249.285,183.939) 249.285,183.422 ccw(c249.285,183.939) 249.803,183.939 249.803,184.257 cw(c250.1,184.257) 250.1,184.555 253.916,184.555 258.962,184.555 261.288,186.881 261.288,189.877 262.85,191.439 262.85,195.805 264.945,197.9 270.328,197.9 276.007,192.221 278.493,192.221 279.19,191.524 279.19,191.056 279.134,191 J17.5@278.03,191
EXT11.LVDS_P2: IC4.W15 J17.8 | length 94.2
  TopLayer w0.095: IC4.W15@238.991,211.515 v2(239.491,211.015)
  BottomLayer w0.095: v2(239.491,211.015) 239.949,211.015 240.271,210.693 240.271,210.602 240.449,210.424 240.449,209.342 240.554,209.236 240.599,209.191 240.599,208.144 241.041,207.702 241.041,202.017 242.197,200.861 242.197,198.015 240.77,196.589 240.77,193.554 239.85,192.634 239.85,183.533 241.443,181.941 245.15,181.941 245.241,181.941 258.377,181.941 262.895,186.459 262.895,190.22 263.945,191.27 263.945,195.856 265.314,197.225 269.325,197.225 274.475,192.075 274.475,187.314 277.284,184.505 278.741,184.505 279.537,185.301 279.537,187.108 279.417,187.228 279.417,187.307 J17.8@280.57,188.46
EXT11.LVDS_P3: IC4.W14 J17.11 | length 92.8
  TopLayer w0.095: IC4.W14@237.991,211.515 v2(238.491,211.015)
  BottomLayer w0.095: v2(238.491,211.015) 238.491,210.542 238.864,210.169 238.864,209.861 238.711,209.708 238.711,209.534 238.767,209.479 238.767,208.989 239.314,208.442 239.314,200.894 237.939,199.519 237.939,179.875 240.639,177.175 245.369,177.175 ccw(c245.369,177.373) 245.567,177.373 245.567,177.457 cw(c245.984,177.457) 245.984,177.875 cw(c245.984,177.457) 246.402,177.457 246.402,176.673 ccw(c246.599,176.673) 246.599,176.475 ccw(c246.599,176.673) 246.797,176.673 246.797,177.457 cw(c247.214,177.457) 247.214,177.875 cw(c247.214,177.457) 247.632,177.457 247.632,176.673 ccw(c247.829,176.673) 247.829,176.475 ccw(c247.829,176.673) 248.027,176.673 248.027,177.457 cw(c248.444,177.457) 248.444,177.875 cw(c248.444,177.457) 248.862,177.457 248.862,176.673 ccw(c249.059,176.673) 249.059,176.475 ccw(c249.059,176.673) 249.257,176.673 249.257,177.457 cw(c249.674,177.457) 249.674,177.875 cw(c249.674,177.457) 250.092,177.457 250.092,176.673 ccw(c250.289,176.673) 250.289,176.475 ccw(c250.289,176.673) 250.487,176.673 250.487,177.457 cw(c250.904,177.457) 250.904,177.875 cw(c250.904,177.457) 251.322,177.457 251.322,176.673 ccw(c251.519,176.673) 251.519,176.475 ccw(c251.519,176.673) 251.717,176.673 251.717,177.457 cw(c252.134,177.457) 252.134,177.875 cw(c252.134,177.457) 252.552,177.457 252.552,176.673 ccw(c252.749,176.673) 252.749,176.475 ccw(c252.749,176.673) 252.947,176.673 252.947,176.757 cw(c253.364,176.757) 253.364,177.175 257.925,177.175 262.534,177.175 265.084,179.725 274.964,179.725 275.295,180.057 277.434,182.195 278.809,182.195 279.19,182.576 279.19,183.324 279.134,183.38 J17.11@278.03,183.38
EXT11.LVDS_P4: IC4.V13 J17.14 | length 94.2
  TopLayer w0.095: IC4.V13@236.991,212.515 237.53,211.976 v2(237.53,211.96) v2@237.53,211.936
  BottomLayer w0.095: v2(237.53,211.96) 237.901,211.59 237.901,211.262 237.899,211.26 237.899,210.77 237.901,210.768 237.901,210.262 237.899,210.26 237.899,209.484 238.074,209.309 238.074,207.168 238.374,206.868 238.374,202.36 236.774,200.76 236.774,178.659 241.003,174.43 262.466,174.43 264.961,176.925 270.275,176.925 ccw(c270.275,177.443) 270.792,177.443 270.792,177.786 cw(c271.09,177.786) 271.09,178.083 cw(c271.09,177.786) 271.388,177.786 271.388,176.284 ccw(c271.905,176.284) 271.905,175.767 ccw(c271.905,176.284) 272.423,176.284 272.423,177.786 cw(c272.72,177.786) 272.72,178.083 cw(c272.72,177.786) 273.018,177.786 273.018,176.284 ccw(c273.535,176.284) 273.535,175.767 ccw(c273.535,176.284) 274.053,176.284 274.053,177.786 cw(c274.35,177.786) 274.35,178.083 cw(c274.35,177.786) 274.648,177.786 274.648,177.317 ccw(c275.039,177.317) 275.039,176.925 275.197,176.925 278.8,176.925 279.537,177.662 279.537,179.488 279.417,179.608 279.417,179.687 J17.14@280.57,180.84
EXT11.LVDS_P5: IC4.V10 J17.17 | length 94.2
  TopLayer w0.095: v2(233.48,212.035) 233.48,212.004 IC4.V10@233.991,212.515
  BottomLayer w0.095: v2(233.48,212.035) 233.48,211.553 233.864,211.169 233.864,211.153 233.878,211.139 233.878,211.016 234.114,210.779 234.114,210.703 234.294,210.523 234.294,209.6 233.564,208.87 233.564,207.266 233.629,207.202 233.629,197.552 234.644,196.536 234.644,176.6 241.67,169.575 258.75,169.575 ccw(c258.75,169.872) 259.048,169.872 259.048,170.189 cw(c259.565,170.189) 259.565,170.706 cw(c259.565,170.189) 260.083,170.189 260.083,168.741 ccw(c260.38,168.741) 260.38,168.444 ccw(c260.38,168.741) 260.678,168.741 260.678,170.189 cw(c261.195,170.189) 261.195,170.706 cw(c261.195,170.189) 261.713,170.189 261.713,169.873 ccw(c262.01,169.873) 262.01,169.575 272.126,169.575 277.121,174.57 277.434,174.57 278.709,174.57 279.19,175.051 279.19,175.704 279.134,175.76 J17.17@278.03,175.76
EXT11.LVDS_P6: IC4.AA10 J17.20 | length 95.7
  TopLayer w0.095: IC4.AA10@233.991,209.515 234.381,209.125 234.381,206.372 234.18,206.17 234.18,202.405 234.152,202.376 234.152,200.37 234.586,199.936 235.299,199.222 235.299,178.334 239.328,174.305 245.153,174.305 247.583,171.875 258.717,171.875 258.796,171.796 ccw(c259.162,172.162) 259.528,171.796 259.781,172.048 cw(c259.991,171.838) 260.201,172.048 cw(c259.991,171.838) 260.288,171.838 cw(c259.991,171.838) 260.201,171.628 259.12,170.546 ccw(c259.486,170.18) 259.12,169.814 ccw(c259.486,170.18) 259.852,169.814 260.933,170.896 cw(c261.144,170.685) 261.354,170.896 cw(c261.144,170.685) 261.441,170.685 cw(c261.144,170.685) 261.354,170.475 260.272,169.394 ccw(c260.638,169.028) 260.272,168.662 ccw(c260.638,169.028) 261.004,168.662 262.086,169.743 cw(c262.296,169.533) 262.507,169.743 cw(c262.296,169.533) 262.594,169.533 cw(c262.296,169.533) 262.507,169.323 262.184,169 ccw(c262.479,168.704) 262.184,168.409 263.817,166.775 272.058,166.775 274.42,169.138 278.638,169.138 279.537,170.037 279.537,171.868 279.417,171.988 279.417,172.067 J17.20@280.57,173.22
EXT11.LVDS_P7: IC4.AA9 J17.23 | length 95.8
  TopLayer w0.095: IC4.AA9@232.991,209.515 233.424,209.082 233.424,201.83 233.337,201.742 233.337,198.247 234.174,197.409 234.174,177.114 239.384,171.905 244.878,171.905 247.458,169.325 258.069,169.325 260.311,167.083 263.139,164.255 272.922,164.255 273.115,164.448 277.149,164.448 277.367,164.23 281.141,164.23 282.345,165.434 282.345,168.466 281.391,169.42 279.784,169.42 279.19,168.826 279.19,168.196 279.134,168.14 J17.23@278.03,168.14
FAN_PWM: C159.2 IC4.N17 | length 48.1
  TopLayer w0.1: v1(233.775,239.85) 233.998,239.85 237.687,243.539 240.888,243.539 241.475,244.125 241.475,244.641 242.559,245.725 246.05,245.725 246.2,245.875 C159.2@246.2,245.9
  TopLayer w0.125: IC4.N17@240.991,217.515 241.431,217.075 v2(241.569,217.075)
  SignalLayer1 w0.1: v1(233.775,239.85) 236.65,236.975 236.65,232.007 236.866,231.791 236.866,227.86 236.522,227.515 236.461,227.515 236.05,227.104 236.05,227.025 ; 236.047,227.028 235.409,226.39 233.336,226.39 233.116,226.17 233.116,224.722 233.363,224.475 233.782,224.475 235.626,222.631 235.626,222.081 236.301,221.406 236.701,221.406 236.926,221.181 236.926,220.731 237.226,220.431 237.576,220.431 237.926,220.081 237.926,219.731 238.282,219.375 238.65,219.375 238.951,219.074 238.951,218.581 239.132,218.4 239.675,218.4 239.951,218.124 239.951,217.831 240.274,217.508 240.939,217.508 241.44,217.006 v2@241.501,217.006
FPGA_DONE: IC4.G11 R57.1 T4.1 | length 165.6
  TopLayer w0.125: v2(187.35,224.325) 187.788,223.887 190.712,223.887 192.45,225.625 193.75,225.625 193.863,225.513 193.863,224.473 194.836,223.5 203.425,223.5 206.625,226.7 208.119,226.7 210.194,228.775 215.119,228.775 215.869,229.525 215.869,231.95 216.694,232.775 229.625,232.775 230.163,233.313 232.588,233.313 232.825,233.075 ; 232.822,233.072 235.494,230.4 235.494,224.018 IC4.G11@234.991,223.515
  SignalLayer1 w0.125: v1(123.35,174.65) 129.712,181.013 129.712,191.968 131.113,193.369 131.631,193.369 138.387,200.125 139.45,200.125 139.994,200.669 139.994,201.731 140.853,202.591 144.091,202.591 145,203.5 145,205.1 157.3,217.4 163.175,217.4 163.95,218.175 166.325,218.175 172.475,224.325 v2(187.35,224.325)
  BottomLayer w0.125: R57.1@118.03,179 118.03,178.33 117.55,177.85 T4.1@117.55,177.65 117.55,177.45 117.787,177.213 118.287,177.213 120.85,174.65 v1(123.35,174.65)
FPGA_INIT_B: IC4.U12 R53.2 | length 82
  TopLayer w0.1: R53.2@183.953,233.608 184.028,233.533 184.028,233.472 185.025,232.475 185.025,229.775 v1(185,229.75)
  TopLayer w0.125: IC4.U12@235.991,213.515 236.468,213.039 v2(236.503,213.039)
  MidLayer2 w0.1: v1(185,229.75) 191.414,229.75 191.764,229.4 198.07,229.4 198.345,229.675 210.956,229.675 211.656,230.375 217.544,230.375 220.519,233.35 231.849,233.35 v2(234.117,231.082)
  SignalLayer1 w0.1: v2(234.117,231.082) 234.866,230.332 234.866,228.841 234.415,228.39 234.336,228.39 234.116,228.17 234.116,228.017 233.461,227.361 233.3,227.361 233.031,227.092 233.031,227.056 232.025,226.05 232.025,221.065 232.7,220.39 234.647,220.39 235.006,220.031 235.026,220.031 235.026,219.281 235.975,218.332 235.975,217.457 237.036,216.396 237.036,215.771 237.261,215.546 237.491,215.546 237.894,215.143 237.894,212.883 237.674,212.664 236.878,212.664 v2(236.503,213.039)
FPGA_TESTPOINT0: IC4.T21 TP26.1 | length 51.1
  TopLayer w0.1: IC4.T21@244.991,214.515 245.441,214.515 245.83,214.126 247.074,214.126 247.412,213.788
  TopLayer w0.125: 247.412,213.788 247.412,212.911 248.161,212.162 248.163,212.162 249.236,211.089 250.848,211.089 251.088,210.85 262.192,210.85 v1(262.525,210.517) ; v1(281.575,203.286) 289.166,203.286 TP26.1@290.24,204.36
  BottomLayer w0.125: v1(262.525,210.517) 262.529,210.517 262.988,210.059 262.988,210.055 270.042,203 279.85,203 279.948,203.098 281.388,203.098 v1(281.575,203.286)
FPGA_TESTPOINT1: IC4.T20 TP27.1 | length 55
  TopLayer w0.1: IC4.T20@243.991,214.515 244.603,213.904 246.671,213.904 247.069,213.505 247.069,212.781
  TopLayer w0.125: 247.069,212.781 249.451,210.399 250.298,210.399 250.382,210.314 262.074,210.314 262.521,209.867 v1(262.525,209.867) ; v1(281.575,202.636) 281.645,202.566 281.748,202.566 282.055,202.873 291.273,202.873 TP27.1@292.8,204.4
  BottomLayer w0.125: v1(262.525,209.867) 262.529,209.867 262.988,209.409 262.988,209.405 269.852,202.54 281.48,202.54 v1(281.575,202.636)
FPGA_TESTPOINT2: IC4.U21 TP29.1 | length 51.1
  TopLayer w0.125: IC4.U21@244.991,213.515 245.41,213.515 245.95,212.975 246.325,212.975 246.825,212.475 246.925,212.475 247.375,212.025 249.312,210.088 249.83,210.088 250.057,209.861 261.882,209.861 262.063,209.68 262.063,209.676 262.521,209.217 v1(262.525,209.217) ; v1@281.638,201.923 v1(281.575,201.986) 285.514,201.986 286.75,200.75 289.15,200.75 TP29.1@290.26,201.86
  BottomLayer w0.125: v1(262.525,209.217) 262.529,209.217 262.988,208.759 262.988,208.755 269.662,202.081 281.48,202.081 v1(281.575,201.986)
FPGA_TESTPOINT3: IC4.V22 TP30.1 | length 52.7
  TopLayer w0.125: IC4.V22@245.991,212.515 246.506,212 246.889,212 247.925,210.964 249.282,209.607 249.282,209.54 249.446,209.375 249.509,209.313 249.83,209.313 249.892,209.375 261.713,209.375 262.521,208.567 v1(262.525,208.567) ; v1(281.575,201.336) 285.1,201.336 286.261,200.175 291.115,200.175 TP30.1@292.8,201.86
  BottomLayer w0.125: v1(262.525,208.567) 269.471,201.621 279.85,201.621 279.948,201.523 281.388,201.523 v1(281.575,201.336)